# Altium PCB DIP2350 RC0.PcbDoc (part 2 of 2)
Units mm, origin at the board's own origin, x right, y up, seen from the top; angles counter-clockwise.
Board outline 25.4 x 81.28 mm, 4 copper layers (Top Layer, Layer 1, Layer 2, Bottom Layer), stack 0.603 mm thick; 88 components, 93 nets, 381 pads, 120 vias.
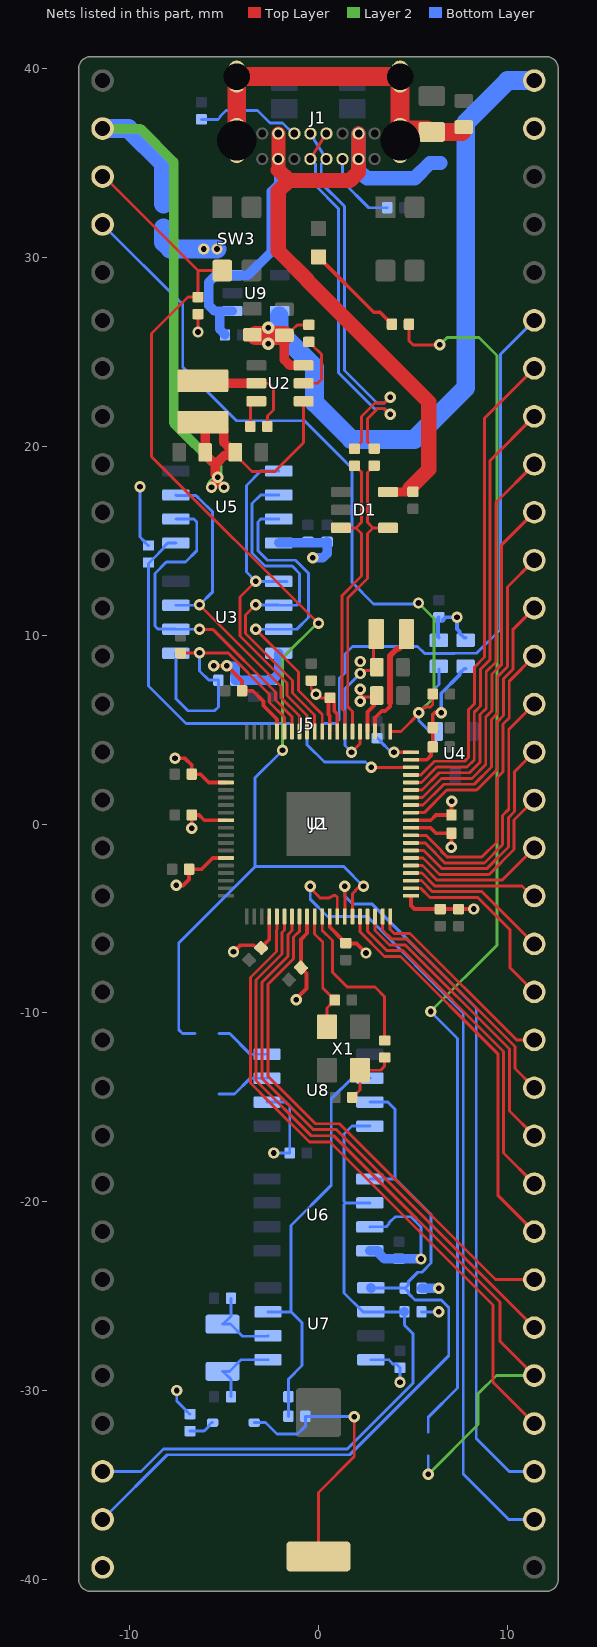
[diagram p4: the nets of this part, all layers, seen from the top]

## Via types
v1: diameter 0.6, hole 0.3, Top Layer to Bottom Layer, tented both sides, 109 vias
v2: diameter 0.5, hole 0.2, Top Layer to Bottom Layer, 9 vias
v3: diameter 0.66, hole 0.3, Top Layer to Bottom Layer, tented both sides, 2 vias

## Nets (pads, with @x,y where several pads share a name; then routed paths per layer and width w, separated by ;. In a path a pad name is that pad's centre, name@x,y a point inside that pad or via, vN(x,y) a via of type N, cw(c..) or ccw(c..) an arc to the next point about the centre after c; other vN are vias at no path point) (continued)
GP24: J2.36 U1.25 | length 34.3
  Top Layer w0.152: U1.25@-2.2,-4.9 -2.2,-5.586 -2.228,-5.614 -2.228,-6.753 -3.605,-8.129 -3.605,-12.497 -3.605,-13.717 -2.585,-14.737 -0.478,-16.843 0.612,-16.843 9.248,-25.479 9.248,-29.543 9.236,-29.556 J2.36@11.43,-31.75
GP25: J2.37 J4.2 U1.26 | length 41.4
  Top Layer w0.152: U1.26@-1.8,-4.9 -1.8,-5.617 -1.923,-5.74 -1.923,-6.879 -3.3,-8.255 -3.3,-13.591 -0.377,-16.513 0.815,-16.513 9.617,-25.315 9.617,-27.397 J2.37@11.43,-29.21
  Layer 2 w0.152: v1(5.817,-34.442) 8.458,-31.801 8.458,-30.175 9.423,-29.21 J2.37@11.43,-29.21
  Bottom Layer w0.152: v1(5.817,-34.442) J4.2@5.817,-33.477
GP26: J2.38 U1.27 | length 29.1
  Top Layer w0.152: U1.27@-1.4,-4.9 -1.4,-5.648 -1.619,-5.867 -1.619,-7.005 -2.995,-8.382 -2.995,-13.464 -0.277,-16.182 0.943,-16.182 J2.38@11.43,-26.67
GP27: J2.39 U1.28 | length 27.7
  Top Layer w0.152: U1.28@-1,-4.9 -1,-5.679 -1.314,-5.993 -1.314,-7.131 -2.665,-8.482 -2.665,-13.364 -0.151,-15.878 1.119,-15.878 9.372,-24.13 J2.39@11.43,-24.13
GP28: J2.40 U1.36 | length 21
  Top Layer w0.152: U1.36@2.2,-4.9 2.2,-5.706 3.507,-7.014 4.346,-7.014 9.502,-12.17 9.502,-19.662 J2.40@11.43,-21.59
GP29: J2.41 U1.37 | length 18.3
  Top Layer w0.152: U1.37@2.6,-4.9 2.6,-5.675 3.634,-6.709 4.472,-6.709 9.807,-12.044 9.807,-17.427 J2.41@11.43,-19.05
GP30: J2.42 U1.38 | length 15.6
  Top Layer w0.152: U1.38@3,-4.9 3,-5.644 3.76,-6.404 4.598,-6.404 10.111,-11.917 10.111,-15.191 J2.42@11.43,-16.51
GP31: J2.43 U1.39 | length 12.9
  Top Layer w0.152: U1.39@3.4,-4.9 3.4,-5.613 3.886,-6.099 4.724,-6.099 10.416,-11.791 10.416,-12.956 J2.43@11.43,-13.97
GP32: J2.44 U1.40 | length 10.7
  Top Layer w0.152: U1.40@3.8,-4.9 3.8,-5.582 4.012,-5.794 4.851,-5.794 10.486,-11.43 J2.44@11.43,-11.43
GP33: J2.45 U1.42 | length 10
  Top Layer w0.152: U1.42@4.9,-3.4 5.42,-3.4 5.909,-3.889 8.435,-3.889 10.137,-5.591 10.137,-7.597 J2.45@11.43,-8.89
GP34: J2.46 U1.43 | length 7.9
  Top Layer w0.152: U1.43@4.9,-3 5.451,-3 6.036,-3.585 8.665,-3.585 J2.46@11.43,-6.35
GP35: J2.47 U1.44 | length 7
  Top Layer w0.152: U1.44@4.9,-2.6 5.482,-2.6 6.162,-3.28 10.788,-3.28 11.319,-3.81 J2.47@11.43,-3.81
GP36: J2.48 U1.45 | length 7.6
  Top Layer w0.152: U1.45@4.9,-2.2 5.513,-2.2 6.288,-2.975 9.725,-2.975 J2.48@11.43,-1.27
GP37: J2.49 U1.46 | length 9.4
  Top Layer w0.152: U1.46@4.9,-1.8 5.544,-1.8 6.414,-2.67 9.042,-2.67 10.365,-1.347 10.365,0.205 J2.49@11.43,1.27
GP38: J2.50 U1.47 | length 11.6
  Top Layer w0.152: U1.47@4.9,-1.4 5.575,-1.4 6.541,-2.365 8.916,-2.365 10.061,-1.221 10.061,0.332 10.386,0.657 10.386,2.766 J2.50@11.43,3.81
GP39: J2.51 U1.48 | length 13.8
  Top Layer w0.152: U1.48@4.9,-1 5.656,-1 6.205,-1.548 6.205,-1.571 6.693,-2.059 6.715,-2.059 6.717,-2.061 8.79,-2.061 9.756,-1.095 9.756,0.458 10.081,0.783 10.081,5.001 J2.51@11.43,6.35
GP40: J2.52 U1.49 | length 16
  Top Layer w0.152: U1.49@4.9,-0.6 5.7,-0.6 6.509,-1.409 6.509,-1.444 6.819,-1.754 8.646,-1.754 9.451,-0.949 9.451,2.44 9.776,2.765 9.776,5.29 10.104,5.618 10.104,7.564 J2.52@11.43,8.89
GP41: J2.53 U1.52 | length 14.9
  Top Layer w0.152: U1.52@4.9,0.6 5.6,0.6 6.8,1.8 8.38,1.8 9.472,2.891 9.472,5.416 9.8,5.744 9.8,7.691 10.315,8.206 10.315,10.315 J2.53@11.43,11.43
GP42: J2.54 U1.53 | length 17
  Top Layer w0.152: U1.53@4.9,1 5.544,1 6.649,2.105 8.254,2.105 9.167,3.018 9.167,5.543 9.495,5.871 9.495,7.817 10.01,8.332 10.01,12.55 J2.54@11.43,13.97
GP43: J2.55 U1.54 | length 19.1
  Top Layer w0.152: U1.54@4.9,1.4 5.513,1.4 6.523,2.41 8.128,2.41 8.862,3.144 8.862,5.669 9.19,5.997 9.19,7.943 9.705,8.458 9.705,14.785 J2.55@11.43,16.51
GP44: J2.56 U1.55 | length 21.2
  Top Layer w0.152: U1.55@4.9,1.8 5.482,1.8 6.396,2.714 8.002,2.714 8.557,3.27 8.557,5.795 8.885,6.123 8.885,8.069 9.4,8.584 9.4,17.02 J2.56@11.43,19.05
GP45: J2.57 U1.56 | length 23.4
  Top Layer w0.152: U1.56@4.9,2.2 5.451,2.2 6.27,3.019 7.875,3.019 8.252,3.396 8.252,5.921 8.58,6.249 8.58,8.196 9.095,8.711 9.095,19.255 J2.57@11.43,21.59
GP46: J2.58 U1.57 | length 25.5
  Top Layer w0.152: U1.57@4.9,2.6 5.42,2.6 6.144,3.324 7.749,3.324 7.948,3.523 7.948,6.048 8.276,6.376 8.276,8.322 8.791,8.837 8.791,21.491 J2.58@11.43,24.13
GP47: J2.59 J5.1 | length 30.6
  Bottom Layer w0.152: J5.1@0.33,5.328 0.902,5.328 1.1,5.526 1.1,7.7 1.4,8 1.4,9 1.8,9.4 5.251,9.4 5.612,9.039 7.216,9.039 7.219,9.042 8.377,9.042 9.639,10.305 9.639,24.879 J2.59@11.43,26.67
NetC3_1: C3.1 L1.1 U2.5 | length 6.1
  Top Layer w0.152: L1.1@-6.125,23.424 -6.04,23.339 L1.1@-4.849,23.339 ; U2.5@-3.286,23.339 -2.657,23.339 -2.38,23.062 -2.38,21.923 -2.703,21.599 C3.1@-2.703,21.053 C3.1@-2.703,21.078
  Top Layer w0.5: L1.1@-4.849,23.339 U2.5@-3.286,23.339
NetC3_2: C3.2 U2.6 | length 1.5
  Top Layer w0.152: C3.2@-3.603,21.053 -3.603,22.191 -3.405,22.389 U2.6@-3.286,22.389
NetC18_1: C18.1 C31.1 R16.2 U1.59 | length 6.8
  Top Layer w0.2: U1.59@4.9,3.4 5.742,3.4 5.962,3.62 5.962,3.994 C18.1@6.055,4.086 C31.1@6.055,5.102 6.055,5.795 6.174,5.915 6.479,5.915 v1(6.505,5.89)
  Bottom Layer w0.2: v1(6.505,5.89) 6.505,6.924 7.473,7.892 7.473,7.967 7.723,8.217 R16.2@7.798,8.217
NetC26_1: C26.1 R10.1 X1.3 | length 3.5
  Top Layer w0.152: C26.1@1.798,-14.481 1.798,-14.456 1.997,-14.257 2.022,-14.257 2.198,-14.082 X1.3@2.198,-13.04 3.297,-13.04 3.507,-12.83 R10.1@3.507,-12.366
NetC36_1: C36.1 U7.2 X2.2 | length 4.3
  Bottom Layer w0.152: C36.1@-4.63,-25.121 -4.63,-26.067 -5.05,-26.487 X2.2@-5.08,-26.487 -4.654,-26.487 -4.013,-27.127 -2.694,-27.127 U7.2@-2.672,-27.105
NetC37_1: C37.1 U7.1 X2.1 | length 4.2
  Bottom Layer w0.152: X2.1@-5.08,-28.987 -4.704,-28.987 -4.093,-28.375 U7.1@-2.672,-28.375 ; X2.1@-5.05,-28.987 -4.63,-29.407 C37.1@-4.63,-30.328
NetD1_3: D1.3 R5.2 U1.67 | length 15.7
  Top Layer w0.152: D1.3@1.191,15.684 1.994,15.684 ; U1.67@1.4,4.9 1.4,5.934 1.247,6.087 1.247,12.087 2.288,13.129 2.288,15.389 1.994,15.684 ; R5.2@1.979,18.942 2.288,18.633 2.288,15.978 1.994,15.684
NetD1_4: D1.4 R4.2 U1.66 | length 15.8
  Top Layer w0.152: U1.66@1.8,4.9 1.8,5.965 1.552,6.213 1.552,11.961 2.593,13.002 2.593,15.389 2.888,15.684 ; R4.2@2.953,18.981 2.593,18.62 2.593,15.978 2.888,15.684 ; D1.4@3.691,15.684 2.888,15.684
NetD2_2: D2.2 R7.2 | length 5.4
  Top Layer w0.2: D2.2@0,30.035 2.933,27.102 3.258,27.102 3.693,26.667 3.718,26.667 3.893,26.492 R7.2@3.893,26.467
NetD3_1: D3.1 K1.1 R17.2 | length 14.4
  Top Layer w0.152: K1.1@0,-38.787 0,-35.4 1.9,-33.5 v1(1.9,-31.4)
  Bottom Layer w0.152: D3.1@-3.4,-31.7 -2.8,-31.7 -2.2,-32.3 -1.1,-32.3 -0.693,-31.893 R17.2@-0.693,-31.369 1.869,-31.369 v1(1.9,-31.4)
NetD3_2: D3.2 R18.1 | length 1.4
  Bottom Layer w0.152: R18.1@-6.8,-32.15 -6.05,-32.15 -5.804,-31.904 -5.804,-31.847 -5.657,-31.7 D3.2@-5.6,-31.7
NetJ1_A5: J1.A5 R2.1 | length 4.1
  Bottom Layer w0.152: J1.A5@1.275,35.218 1.275,34.031 2.667,32.639 R2.1@3.647,32.639
NetJ1_A6: J1.A6 J1.B6 R5.1 | length 20.4
  Top Layer w0.152: R5.1@1.979,19.913 2.288,20.223 2.288,21.586 3,22.298 3.487,22.298 3.789,22.6 v1(3.8,22.6)
  Bottom Layer w0.152: J1.B6@-0.425,36.568 J1.A6@0.425,35.218 0.152,34.945 0.152,33.933 1.374,32.711 1.374,24.025 3.101,22.298 3.487,22.298 3.789,22.6 v1(3.8,22.6)
NetJ1_A7: J1.A7 J1.B7 R4.1 | length 20.5
  Top Layer w0.152: J1.A7@-0.425,35.218 J1.B7@0.425,36.568 ; R4.1@2.953,19.875 2.593,20.235 2.593,21.46 3.126,21.993 3.487,21.993 3.78,21.7 v1(3.8,21.7)
  Bottom Layer w0.152: J1.A7@-0.425,35.218 -0.152,34.945 -0.152,33.806 1.069,32.585 1.069,23.899 2.975,21.993 3.487,21.993 3.78,21.7 v1(3.8,21.7)
NetJ1_B5: J1.B5 R3.1 | length 5.6
  Bottom Layer w0.152: R3.1@-6.195,37.317 -5.325,37.317 -5.179,37.462 -5.179,37.502 -4.903,37.779 -3.221,37.779 -2.567,37.126 -1.894,37.126 -1.337,36.568 J1.B5@-1.275,36.568
NetJ4_1: J4.1 R7.1 | length 65.9
  Top Layer w0.152: R7.1@4.793,26.467 4.793,25.592 5.004,25.382 5.013,25.372 v1(6.423,25.372)
  Layer 2 w0.152: v1(5.944,-9.931) 9.451,-6.424 9.451,24.814 8.496,25.768 6.819,25.768 v1(6.423,25.372)
  Bottom Layer w0.152: J4.1@5.817,-32.207 5.817,-31.42 7.366,-29.87 7.366,-11.354 v1(5.944,-9.931)
NetJ5_2: J5.2 U1.58 | length 7.1
  Top Layer w0.152: v1(2.8,3) U1.58@4.9,3
  Bottom Layer w0.152: J5.2@-0.6,5.321 -0.6,4.2 0.322,3.278 2.487,3.278 2.765,3 v1(2.8,3)
NetJ6_2: J6.2 U8.4 | length 3
  Bottom Layer w0.152: J6.2@-5.265,-11.1 -4.7,-11.1 -3.608,-12.192 U8.4@-2.725,-12.192
NetJ7_1: J7.1 U8.3 | length 2.9
  Bottom Layer w0.152: J7.1@-5.265,-14.3 -4.445,-14.3 -3.607,-13.462 U8.3@-2.725,-13.462
NetL2_2: L2.2 U1.63 | length 5.4
  Top Layer w0.2: U1.63@3,4.9 3,5.625 3.279,5.904 3.354,5.979 3.461,5.979 3.541,5.979 3.787,6.225 3.787,6.423
  Top Layer w0.3: 3.787,6.423 3.787,8.907 4.158,9.278 4.261,9.278 L2.2@4.511,9.528
NetR1_1: R1.1 U2.2 | length 3.3
  Top Layer w0.152: U2.2@-0.786,23.339 -0.049,23.339 0.155,23.543 0.155,24.874 -0.306,25.334 -0.306,25.356 -0.481,25.531 R1.1@-0.506,25.531
P1V1: C27.1 C28.1 C29.1 C30.1 L2.1 U1.10 U1.32 U1.51 U1.65 | length 16.9
  Top Layer w0.152: v1(1.755,3.807) 2.2,4.252 U1.65@2.2,4.9 ; v1@2.352,8.123 C30.1@2.772,8.123 ; L2.1@2.911,9.649 2.911,7.955 C30.1@2.944,7.922 ; L2.1@2.911,9.928 L2.1@2.944,9.894
  Top Layer w0.2: v1(-6.703,-0.232) -6.711,-0.225 C27.1@-6.711,0.479 -6.322,0.479 -6.043,0.2 U1.10@-4.9,0.2 ; U1.32@0.6,-4.9 0.6,-5.46 1.25,-6.11 1.25,-6.135 1.425,-6.31 C29.1@1.45,-6.31 ; C29.1@1.374,-6.335 2.016,-6.335 v1(2.517,-6.836) ; U1.51@4.9,0.2 5.946,0.2 6.225,0.479 C28.1@7.048,0.479 ; C28.1@7.049,0.48 v1@7.049,1.209
  Bottom Layer w0.152: v1(1.755,3.807) 1.405,4.157 1.405,7.165 v1(2.212,7.972)
  other v1: 7.052,1.213 2.212,8.607
P3V3: C6.1 C7.1 C8.1 C9.1 C10.1 C11.1 C12.1 C13.1 C14.1 C15.1 C16.1 C17.1 C19.1 C20.1 C21.1 C22.1 C24.1 C34.1 C35.1 C39.1 J2.32 J2.63 J3.1 R8.2 R9.2 R11.2 R12.1 R13.1 R14.2 R16.1 R18.2 U1.5 U1.15 U1.24 U1.29 U1.41 U1.50 U1.60 U1.64 U1.68 U1.69 U1.76 U3.8 U5.8 U6.7 U6.8 U7.8 U8.2 | length 76.9
  Top Layer w0.152: v1(-6.373,26.057) R9.2@-6.373,27.004 ; C11.1@-0.379,7.596 -0.379,7.154 -0.125,6.9 v1(-0.125,6.877) -0.044,6.877 0.152,6.681 C8.1@0.612,6.681 ; v1(2.212,7.134) 2.29,7.056 2.29,6.827 2.393,6.723 2.898,6.723 C24.1@2.944,6.677
  Top Layer w0.2: v1(-7.592,3.477) -7.059,3.477 -6.711,3.128 C12.1@-6.711,2.638 -6.246,2.638 -5.808,2.2 U1.5@-4.9,2.2 ; v1(-7.529,-3.238) -7.503,-3.264 -7.173,-3.264 -6.85,-2.941 C13.1@-6.85,-2.4 -6.198,-2.4 -5.598,-1.8 U1.15@-4.9,-1.8 ; v1(-5.535,8.379) v1(-4.849,8.379) -4.044,7.573 C7.1@-4.044,7.058 -3.475,7.058 -2.912,6.496 -2.912,6.259 -2.2,5.547 U1.76@-2.2,4.9 ; v1(-4.494,-6.76) v1@-4.484,-6.76 ; -4.163,-6.455 -4.468,-6.76 v1@-4.484,-6.76 ; C14.1@-3.083,-6.645 C14.1@-3.066,-6.662 ; C14.1@-3.032,-6.568 -3.28,-6.568 -3.426,-6.422 -4.146,-6.422 v1@-4.484,-6.76 ; C14.1@-2.956,-6.467 -2.6,-6.111 U1.24@-2.6,-4.9 ; v1(-1.166,-9.3) -1.166,-9.249 -0.626,-8.709 -0.626,-7.908 C15.1@-0.924,-7.61 ; C15.1@-0.907,-7.627 -0.942,-7.592 -0.942,-7.311 -0.924,-7.293 -0.924,-6.111 -0.6,-5.787 U1.29@-0.6,-4.9 ; U1.69@0.6,4.9 0.6,5.724 0.529,5.795 0.529,6.598 C8.1@0.612,6.681 ; C8.1@0.637,6.681 0.812,6.506 0.812,6.481 0.84,6.453 0.84,5.991 1,5.832 U1.68@1,4.9 ; U1.64@2.6,4.9 2.6,5.936 2.944,6.281 C24.1@2.944,6.423 ; v1(4,3.8) U1.60@4.9,3.8 ; U1.41@4.9,-3.8 4.9,-4.317 5.089,-4.506 C17.1@7.416,-4.506 8.225,-4.506 v1(8.232,-4.499) ; U1.50@4.9,-0.2 5.939,-0.2 6.232,-0.492 7.042,-0.492 7.042,-1.222 v1(7.038,-1.225)
  Bottom Layer w0.152: v1(-9.447,17.853) -9.447,15.197 -9.224,14.974 -9.224,14.949 -9.025,14.75 R14.2@-9,14.75 ; v1(-7.5,-30) -7.5,-30.55 -7.024,-31.026 -7.024,-31.051 -6.825,-31.25 R18.2@-6.8,-31.25 ; U8.2@-2.725,-14.732 -1.727,-14.732 -1.52,-14.94 C39.1@-1.52,-17.424 v1(-2.362,-17.424) ; U6.7@2.725,-21.336 2.733,-21.328 3.589,-21.328 3.739,-21.179 3.739,-21.117 4.048,-20.807 4.11,-20.807 4.115,-20.803 4.902,-20.803 5.436,-21.336 v1(5.436,-23.038) ; U7.8@2.778,-28.375 3.723,-28.375 3.768,-28.42 3.955,-28.607 4.128,-28.607 C35.1@4.318,-28.796 v1(4.318,-29.566) ; C9.1@3.1,4.55 3.125,4.55 3.324,4.351 3.324,4.326 3.764,3.886 3.914,3.886 v1(4,3.8) ; R13.1@5.456,-25.835 6.372,-25.835 v1(6.375,-25.832)
  Bottom Layer w0.2: R11.2@6.378,9.864 6.328,9.914 6.328,10.902 C10.1@6.378,10.951 ; C10.1@6.57,10.784 6.731,10.944 v1(7.343,10.944) 7.343,10.322 7.473,10.192 7.473,10.117 7.723,9.867 R16.1@7.798,9.867
  Bottom Layer w0.5: v1(-4.849,8.379) -4.83,8.36 -4.522,8.36 -4.399,8.237 R8.2@-4.399,7.617 -2.429,7.617 C19.1@-2.411,7.635 ; C19.1@-2.436,7.635 C19.1@-2.411,7.635 ; U3.8@-2.101,9.042 -2.101,7.97 -2.386,7.685 -2.386,7.66 C19.1@-2.411,7.635 ; U5.8@-2.101,14.884 0.38,14.884 0.434,14.939 C22.1@0.459,14.939 0.459,14.322 0.237,14.1 v1(-0.3,14.1) ; U6.8@2.725,-22.606 3.15,-22.606 3.2,-22.656 3.2,-22.738 3.493,-23.031 C34.1@4.267,-23.031 5.428,-23.031 v1(5.436,-23.038) ; R12.1@5.481,-24.59 6.372,-24.59 v1(6.375,-24.587)
  Bottom Layer w1: J3.1@-8.2,31.565 -8.2,30.8 -7.851,30.451 v1(-6.068,30.451) v1(-5.368,30.451)
  other v1: 2.212,6.499
P3V3OUT: C4.1 C5.1 J2.2 J3.2 L1.2 U2.1 | length 43.7
  Top Layer w0.152: C5.1@-4.537,19.682 -3.521,18.666 -2.315,18.666 -0.786,20.195 U2.1@-0.786,22.389
  Top Layer w0.5: v1(-5.662,17.828) -5.662,17.844 -5.345,18.16 -5.345,18.353 v1(-5.334,18.364) -5.334,18.38 -5.459,18.505 -5.459,19.033 ; C5.1@-4.537,19.757 -4.687,19.907 -4.708,19.907 -5.018,20.217 -5.018,20.924 -5.418,21.324 -6.125,21.324 -6,21.199 -6,19.553 -5.884,19.437 -5.863,19.437 -5.459,19.033 ; C5.1@-4.522,19.539 -4.956,19.539 -5.459,19.037 -5.459,19.033
  Layer 2 w0.5: J2.2@-11.43,36.83 -9.424,36.83 -7.669,35.074 -7.669,21.243 -5.334,18.908 v1(-5.334,18.364) -5.345,18.353 -5.345,18.303 -5.651,17.998 -5.651,17.839 v1(-5.662,17.828)
  Bottom Layer w1: J2.2@-11.43,36.83 -10.059,36.83 -8.2,34.971 J3.2@-8.2,32.835
  other v1: -5.004,17.831
PSRAM: J5.3 R14.1 U5.1 | length 16.7
  Bottom Layer w0.152: U5.1@-7.551,14.884 -7.976,14.884 -8.2,14.661 -8.2,14.6 -8.762,14.038 -9,13.8 -9,7.3 -7.015,5.315 J5.3@-1.53,5.315
QCLK: U1.71 U3.6 U5.6 | length 19.6
  Top Layer w0.152: v1(-3.325,11.605) -3.854,11.076 -3.854,10.09 -1.365,7.601 -1.365,6.939 -0.2,5.774 U1.71@-0.2,4.9
  Bottom Layer w0.152: v1(-3.325,11.605) -3.314,11.593 -2.112,11.593 U3.6@-2.101,11.582 -1.147,11.582 -0.995,11.735 -0.995,13.266 -1.391,13.662 -2.83,13.662 -3.512,14.344 -3.512,16.967 -3.055,17.424 U5.6@-2.101,17.424
QSD0: U1.72 U3.5 U5.5 | length 18.7
  Top Layer w0.152: v1(-3.325,12.849) -4.159,12.016 -4.159,9.964 -1.669,7.475 -1.669,6.812 -0.6,5.743 U1.72@-0.6,4.9
  Bottom Layer w0.152: U5.5@-2.101,18.694 -3.055,18.694 -3.817,17.932 -3.817,13.341 v1(-3.325,12.849) v1(-3.325,12.849) -1.674,12.851 U3.5@-1.673,12.849
QSD1: U1.74 U3.2 U5.2 | length 18.5
  Top Layer w0.152: v1(-6.297,10.309) -5.601,10.309 -2.279,6.987 -2.279,6.56 -1.4,5.681 U1.74@-1.4,4.9
  Bottom Layer w0.152: U5.2@-7.551,16.154 -6.597,16.154 -6.445,16.002 -6.445,14.471 -7.047,13.868 -8.055,13.868 -8.657,13.266 -8.657,10.487 -8.505,10.335 -7.573,10.335 -7.549,10.311 -6.299,10.311 v1(-6.297,10.309)
QSD2: U1.73 U3.3 U5.3 | length 17.7
  Top Layer w0.152: v1(-6.297,11.605) -1.974,7.282 -1.974,6.686 -1,5.712 U1.73@-1,4.9
  Bottom Layer w0.152: U3.3@-7.551,11.582 -6.319,11.582 v1(-6.297,11.605) -5.6,12.302 -5.6,16.522 -6.297,17.219 -6.387,17.309 -6.477,17.399 -7.526,17.399 U5.3@-7.551,17.424
QSD3: U1.70 U3.7 U5.7 | length 18.1
  Top Layer w0.152: v1(-3.325,10.309) -1.06,8.044 -1.06,7.065 0.2,5.805 U1.70@0.2,4.9
  Bottom Layer w0.152: v1(-3.325,10.309) v1(-3.325,10.309) -2.103,10.311 U3.7@-2.101,10.312 -1.147,10.312 -0.531,10.929 -0.531,13.28 -1.218,13.967 -2.703,13.967 -3.207,14.471 -3.207,16.002 -3.055,16.154 U5.7@-2.101,16.154
QSS: R6.2 R8.1 U1.75 U3.1 | length 16.5
  Top Layer w0.152: R6.2@-7.3,9.05 -6.312,9.05 v1(-6.297,9.065) -4.787,9.065 -2.584,6.861 -2.584,6.434 -1.8,5.65 U1.75@-1.8,4.9
  Bottom Layer w0.152: U3.1@-7.54,9.054 U3.1@-7.551,9.042 -7.551,6.651 -6.9,6 -5.5,6 -5.299,6.201 R8.1@-5.299,7.617 -5.803,7.617 -6.297,8.111 v1(-6.297,9.065) ; v1@-6.308,9.054 v1@-6.297,9.042
RST: J2.3 J6.1 R9.1 SW3.2 U1.35 | length 65.9
  Top Layer w0.152: J2.3@-11.43,34.29 -11.353,34.29 -6.373,29.31 ; R9.1@-6.373,27.904 -6.38,27.911 -6.902,27.911 -8.839,25.974 -8.839,19.454 -0.025,10.639 v1(0.002,10.639) ; R9.1@-6.373,27.911 -6.373,29.31 ; SW3.2@-5.091,29.31 -6.373,29.31 ; U1.35@1.8,-4.9 1.8,-3.689 1.956,-3.533 1.956,-3.495 2.062,-3.389 2.301,-3.389 v1(2.388,-3.302)
  Layer 2 w0.152: v1(-1.9,3.9) -1.9,8.8 v1@0,10.7
  Bottom Layer w0.152: J6.1@-6.535,-11.1 -7.2,-11.1 -7.4,-10.9 -7.4,-6.308 -3.353,-2.261 ; v1(-1.9,3.9) -3.353,2.447 -3.353,-2.261 ; v1(2.388,-3.302) 1.346,-2.261 -3.353,-2.261
SCL: J2.30 R13.2 U6.6 U7.6 U8.8 | length 37.3
  Bottom Layer w0.152: J2.30@-11.43,-34.29 -9.39,-34.29 -8.2,-33.1 1.531,-33.1 4.999,-29.632 4.999,-26.984 4.556,-26.541 R13.2@4.556,-25.835 2.353,-25.835 1.359,-24.841 1.359,-20.155 1.448,-20.066 ; U6.6@2.725,-20.066 1.448,-20.066 ; U8.8@2.725,-16.002 1.771,-16.002 1.359,-16.415 1.359,-19.977 1.448,-20.066
SDA: J2.31 R12.2 U6.5 U7.5 U8.7 | length 42.9
  Bottom Layer w0.152: J2.31@-11.43,-36.83 -8.005,-33.405 1.657,-33.405 6.904,-28.158 6.904,-25.613 6.504,-25.213 5.113,-25.213 4.78,-24.88 4.78,-24.789 R12.2@4.581,-24.59 ; U6.5@2.725,-18.796 4.064,-18.796 ; U8.7@2.725,-14.732 3.679,-14.732 4.064,-15.117 4.064,-18.796 ; U7.5@2.803,-24.59 2.829,-24.565 4.556,-24.565 R12.2@4.581,-24.59 ; 4.064,-18.796 5.964,-20.696 5.964,-23.257 5.484,-23.737 5.261,-23.737 4.78,-24.218 4.78,-24.392 R12.2@4.581,-24.59
  Bottom Layer w0.5: U7.5@2.778,-24.565 U7.5@2.803,-24.59
SHLD: C33.1 J1.1 J1.2 J1.3 J1.4 R15.1 | length 18.5
  Top Layer w0.152: R15.1@7.697,37.153 R15.1@7.7,37.15
  Top Layer w0.945: C33.1@6,36.65 R15.1@7.612,36.65
  Top Layer w1: J1.2@-4.325,36.198 J1.4@-4.325,39.578 J1.3@4.325,39.578 J1.1@4.325,36.719 ; J1.1@4.325,36.198 J1.1@4.325,36.719 ; C33.1@5.754,36.769 4.375,36.769 J1.1@4.325,36.719
SWCLK: J2.34 U1.33 | length 43.3
  Top Layer w0.152: v1(-0.432,-3.302) -0.432,-3.381 0.099,-3.912 0.562,-3.912 0.612,-3.861 0.689,-3.861 0.768,-3.782 0.911,-3.782 1,-3.871 U1.33@1,-4.9
  Bottom Layer w0.152: v1(-0.432,-3.302) -0.432,-3.988 0.48,-4.9 1.598,-4.9 1.603,-4.905 2.584,-4.905 7.673,-9.994 7.673,-34.42 10.083,-36.83 J2.34@11.43,-36.83
SWDIO: J2.35 U1.34 | length 38.1
  Top Layer w0.152: v1(1.397,-3.302) 1.4,-3.305 U1.34@1.4,-4.9
  Bottom Layer w0.152: v1(1.397,-3.302) 1.397,-3.816 1.828,-4.247 2.855,-4.247 8.357,-9.749 8.357,-32.539 10.108,-34.29 J2.35@11.43,-34.29
VBAT: C38.1 R17.1 U7.3 U8.6 | length 22
  Bottom Layer w0.152: U7.3@-2.672,-25.835 -1.445,-25.835 ; R17.1@-1.593,-31.369 -1.593,-29.405 -0.864,-28.676 -0.864,-26.416 -1.445,-25.835 ; U8.6@2.725,-13.462 1.771,-13.462 0.681,-14.552 0.681,-19.131 -1.445,-21.257 -1.445,-25.835
VBUS: C32.1 C40.1 D1.5 J1.A4 J1.A9 J1.B4 J1.B9 J8.2 U9.1 U9.3 | length 51.3
  Top Layer w0.5: D1.5@3.691,17.584 4.661,17.584 C32.1@4.863,17.786
  Top Layer w0.745: -2.125,34.646 -2.125,34.827 J1.A9@-2.125,35.218 J1.B4@-2.125,36.568 ; 2.125,34.827 J1.A4@2.125,35.218 J1.B9@2.125,36.568
  Top Layer w0.8: -2.125,34.646 -1.566,34.087 ; 2.125,34.827 2.125,34.535 1.676,34.087 -1.566,34.087 ; C32.1@4.863,17.786 5.844,18.767 5.844,22.35 -0.575,28.769 -0.575,28.805 -2.125,30.355 -2.125,33.528 -1.566,34.087
  Bottom Layer w0.5: C40.1@-4.95,25.9 -4.95,25.925 -5.23,26.205 -5.23,27.168 ; U9.1@-4.552,27.168 -5.23,27.168 ; J1.B4@-2.125,36.568 J1.A9@-2.125,35.218 -2.125,34.866 -2.1,34.841 -2.1,33.9 -2.5,33.5 -2.5,30.3 -3.732,29.068 U9.3@-4.552,29.068 -5.432,29.068 -5.8,28.7 -5.8,27.461 -5.507,27.168 -5.23,27.168
  Bottom Layer w0.745: J1.B9@2.125,36.568 J1.A4@2.125,35.218 2.125,34.637 2.562,34.2 5.1,34.2 5.9,35 J8.2@6.465,35
VREF: C23.1 J2.4 R11.1 U1.61 U4.1 | length 44.9
  Top Layer w0.152: U1.61@3.8,4.9 4.372,4.9 5.311,5.839 v1(5.311,5.89) 5.616,6.194 5.92,6.194 6.055,6.329 C23.1@6.055,6.88
  Layer 2 w0.152: v1(5.3,11.7) 6.124,10.876 6.124,6.702 v1(5.311,5.89)
  Bottom Layer w0.152: J2.4@-11.43,31.75 -7.186,27.506 -7.186,24.203 -4.341,21.358 -0.734,21.358 1.78,18.844 1.78,12.798 2.923,11.655 5.255,11.655 v1(5.3,11.7) ; U4.1@6.291,4.906 6.255,4.942 5.852,4.942 5.314,5.48 5.314,5.886 v1(5.311,5.89) 6.124,6.702 6.124,7.131 6.378,7.385 R11.1@6.378,8.214
VSYS: C1.1 C2.1 J2.64 J8.1 R1.2 U2.3 U9.5 | length 40.2
  Top Layer w0.152: C2.1@-1.391,26.158 -1.118,26.431 R1.2@-0.506,26.431
  Top Layer w0.5: C1.1@-3.325,25.74 v3@-2.563,25.74 ; C2.1@-1.801,25.74 -1.801,24.582 -1.508,24.289 U2.3@-0.786,24.289
  Top Layer w1: C1.1@-3.325,25.875 C2.1@-1.801,25.875
  Bottom Layer w1: -2.551,25.875 -2.077,26.349 ; U9.5@-2.077,26.9 -2.077,26.349 ; J2.64@11.43,39.37 10.022,39.37 7.8,37.148 7.8,23.091 5.08,20.371 1.729,20.371 -0.2,22.3 -0.2,24.2 -2.077,26.077 -2.077,26.349
  other v3: -2.651,25.435 -2.651,26.273
XIN: C25.1 U1.30 X1.1 | length 6.5
  Top Layer w0.152: U1.30@-0.2,-4.9 -0.2,-5.821 0.231,-6.252 0.231,-8.683 0.649,-9.101 0.674,-9.101 0.873,-9.3 C25.1@0.873,-9.325 0.873,-9.35 0.674,-9.549 0.649,-9.549 0.448,-9.75 X1.1@0.448,-10.74
XOUT: R10.2 U1.31 | length 8.8
  Top Layer w0.152: U1.31@0.2,-4.9 0.2,-5.637 0.739,-6.175 0.739,-7.852 1.526,-8.639 2.999,-8.639 3.507,-9.148 R10.2@3.507,-11.466
pads on no net: D1.1 J1.A8 J1.B8 SW1.1 SW1.4 SW2.1 SW2.3 SW3.1 SW3.3 U7.7 U8.1 U9.4

## Polygon pours and split planes (outlines as drawn)
P3V3 on Layer 2 "P3V3_L03_P003" (solid, remove dead copper, pour order 3): 13.1,41.1 -13.3,41.1 -13.3,-41.1 13.1,-41.1 13.1,40.8
GND on Layer 2 "GND_L03_P001" (solid, pour order 1): -1.8,38.5 -3.4,36.9 -3.4,34.6 -1.5,32.7 0.3,32.7 0.6,32.4 0.6,22.6 2.3,20.9 4.7,20.9 5.1,21.3 5.1,22.8 4.5,23.4 3.2,23.4 2.2,24.4 2.2,32.4 3.6,33.8 3.6,36.9 2,38.5
P1V1 on Layer 2 "P1V1_L03_P002" (solid, pour order 2): 2.4,7.6 1.9,7.6 1.2,6.9 1.2,2.3 1.9,1.6 7.2,1.6 7.4,1.4 7.4,0.9 3.8,-2.7 3.8,-6.1 2.8,-7.1 1.5,-7.1 -0.7,-4.9 -3.1,-4.9 -7.1,-0.9 -7.1,0 -4.7,2.4 -1.3,2.4 0.3,4 0.3,7.6 1.6,8.9 2.4,8.9 2.6,8.7 2.6,7.8
GND on Layer 1 "GND_L02_P000" (solid, pour order 0): 12.855,-40.796 -12.85,-40.796 -12.85,40.789 12.829,40.789 12.829,-40.719 12.804,-40.719
GND on Top Layer "GND_L01_P004" (solid, remove dead copper, pour order 4): -13.3,41.1 13.1,41.1 13.1,-41.2 -13.2,-41.2 -13.2,-29.1
GND on Bottom Layer "GND_L04_P005" (solid, remove dead copper, pour order 5): -13.3,41.1 13.1,41.1 13.1,-41.2 -13.2,-41.2 -13.2,-29.1

## Keep-outs
Top Layer:
  region: -0.4,-5.7 -0.4,-5.95 0.2,-6.55 0.2,-9.4 -0.2,-9.8 -0.2,-12.739 0.087,-13.025 0.087,-13.694 0.746,-14.354 1.348,-14.956 2.844,-14.956 3.9,-13.9 3.9,-9.4 3,-8.5 1.6,-8.5 1.1,-8 1.1,-6.2 0.6,-5.7
Keep-Out Layer:
  the board outline again, w0.05

## Other copper
Top Layer:
  region net P3V3OUT: -5.944,17.678 -5.791,17.526 -4.877,17.526 -4.724,17.678 -4.724,18.754 -4.157,19.321 -4.157,19.778 -4.801,20.422 -4.801,20.789 -4.891,20.879 -6.172,20.879 -6.172,19.746 -6.096,19.228 -5.944,19.228
  region net P1V1: 3.097,7.808 2.982,7.693 2.085,7.693 1.933,7.845 1.933,8.912 2.101,9.08 2.431,9.08 2.695,9.344 3.304,9.344 3.304,8.32 3.287,8.303
  region net P3V3: 3.097,7.299 2.906,7.49 2.11,7.49 1.933,7.312 1.933,6.372 2.6,5.705 2.6,5.936 3.097,6.433 3.097,6.804
Layer 2:
  region net P3V3OUT: -5.944,18.444 -5.944,17.678 -5.791,17.526 -4.877,17.526 -4.724,17.678 -4.724,20.295 -6.604,22.174 -6.909,22.479 -6.909,35.992 -8.636,37.719 -11.43,37.719 -11.43,35.941 -9.906,34.417 -9.906,22.406
Bottom Layer:
  rectangle net P3V3OUT: -5.6,17.7 -5.1,18.3
  rectangle net P3V3: -5.5,8.172 -4.849,8.6
  rectangle net P1V1: 2,8 2.4,8.6
  region net P3V3OUT: -5.9,17.9 -5.9,17.939 cw(c-5.396,17.939) -5.396,18.443 -5.343,18.443 cw(c-5.343,17.9) -4.8,17.9

## Silkscreen, mask and mechanical layers (free items; w line width, h text height)
Top Overlay:
  drawing of 553 lines, arcs and shapes, not listed
  text "GND" at -10.668,38.481 h1.1
  text "5V" at 8.686,38.47 h1.2
  text "3V3 / OUT" at -10.668,35.93 h1
  text "3V3 / IN" at 8.702,35.93 h1
  text "RESET" at -8.03,33.471 h2 r270
  text "RST" at -10.668,33.39 h1.2
  text "BOOT" at 8.702,33.39 h1
  text "REF" at -10.668,30.85 h1.1
  text "GND" at 8.702,30.85 h1.2
  text "BOOT" at 7.958,28.499 h2 r90
  text "GND" at -10.668,28.31 h1.1
  text "GND" at 8.702,28.31 h1.2
  text "0" at -10.668,25.77 h1.8
  text "47" at 8.702,25.77 h1.8
  text "1" at -10.668,23.23 h1.8
  text "46" at 8.702,23.23 h1.8
  text "2" at -10.668,20.69 h1.8
  text "45" at 8.702,20.69 h1.8
  text "3" at -10.668,18.15 h1.8
  text "44" at 8.702,18.15 h1.8
  text "4" at -10.668,15.61 h1.8
  text "43" at 8.702,15.61 h1.8
  text "5" at -10.668,13.07 h1.8
  text "42" at 8.702,13.07 h1.8
  text "6" at -10.668,10.53 h1.8
  text "41" at 8.702,10.53 h1.8
  text "7" at -10.668,7.99 h1.8
  text "40" at 8.702,7.99 h1.8
  text "8" at -10.668,5.45 h1.8
  text "39" at 8.702,5.45 h1.8
  text "9" at -10.668,2.91 h1.8
  text "38" at 8.702,2.91 h1.8
  text "10" at -10.668,0.37 h1.8
  text "37" at 8.702,0.37 h1.8
  text "11" at -10.668,-2.17 h1.8
  text "36" at 8.702,-2.17 h1.8
  text "12" at -10.668,-4.71 h1.8
  text "35" at 8.702,-4.71 h1.8
  text "13" at -10.668,-7.25 h1.8
  text "34" at 8.702,-7.25 h1.8
  text "14" at -10.668,-9.79 h1.8
  text "33" at 8.702,-9.79 h1.8
  text "15" at -10.668,-12.33 h1.8
  text "32" at 8.702,-12.33 h1.8
  text "16" at -10.668,-14.87 h1.8
  text "31" at 8.702,-14.87 h1.8
  text "17" at -10.668,-17.41 h1.8
  text "30" at 8.702,-17.41 h1.8
  text "IP2350" at -1.052,-17.548 h4 r270
  text "18" at -10.668,-19.95 h1.8
  text "29" at 8.702,-19.95 h1.8
  text "19" at -10.668,-22.49 h1.8
  text "28" at 8.702,-22.49 h1.8
  text "20" at -10.668,-25.03 h1.8
  text "27" at 8.702,-25.03 h1.8
  text "21" at -10.668,-27.57 h1.8
  text "26" at 8.702,-27.57 h1.8
  text "22" at -10.602,-30.11 h1.8
  text "25" at 8.702,-30.11 h1.8
  text "23" at -10.602,-32.65 h1.8
  text "24" at 8.702,-32.65 h1.8
  text "SCL" at -10.602,-35.19 h1
  text "DIO" at 8.702,-35.19 h1
  text "SDA" at -10.602,-37.73 h1
  text "CLK" at 8.702,-37.73 h1
  text "GND" at 8.702,-40.27 h1.2
  text "3V3 / IN" at -10.628,-40.3 h1
Bottom Overlay:
  drawing of 40 lines, arcs and shapes, not listed
  text "USB" at 6.686,31.706 h1.6 r270
  text "3V3" at -4.8,31.6 h1.6
  text "GP47" at 3.856,5.086 h1.6
  text "PSRAM" at -2.276,4.586 h1.6
  text "RST" at -7.1,-11.636 h1.6
  text "INT" at -7.1,-14.827 h1.6
  text "LED" at 4.7,-33.366 h1.6
Mechanical 1:
  the board outline again, w0.05
Mechanical 15:
  lines w0.05: -8.074,-40.383 7.926,-40.383 7.926,-20.493 -8.074,-20.493 -8.074,-40.383

## Text inside footprints (layer, text, board x,y; h text height)
D1: Top Assembly "1" at 0.666,17.259 h0.3
D2: Top Assembly "K" at 0.4,31.135 h0.5 r90
D3: Bottom Assembly "K" at -3.105,-31.925 h0.4
LOGO1: Bottom Overlay "0" at 8.563,-11.309 h5 r90; Bottom Overlay "PUBLIC / DOMAIN" at 9.013,-14.45 h2.5 r90
SW2: Top Assembly "1" at 3.02,33.235 h1 r270
SW3: Top Assembly "1" at -5.616,33.235 h1 r270
U2: Top Assembly "1" at -0.261,22.714 h0.3 r180
U3: Bottom Assembly "1" at -8.276,9.342 h0.3 r180
U5: Bottom Assembly "1" at -8.276,15.184 h0.3 r180
U6: Bottom Assembly "1" at -3.45,-22.306 h0.3 r180
U7: Bottom Assembly "1" at -3.397,-28.075 h0.3 r180
U8: Bottom Assembly "1" at -3.45,-15.702 h0.3 r180
U9: Bottom Assembly "1" at -5.077,27.493 h0.3 r180